# Altium PCB PCB1.PcbDoc (part 1 of 2) (continued)
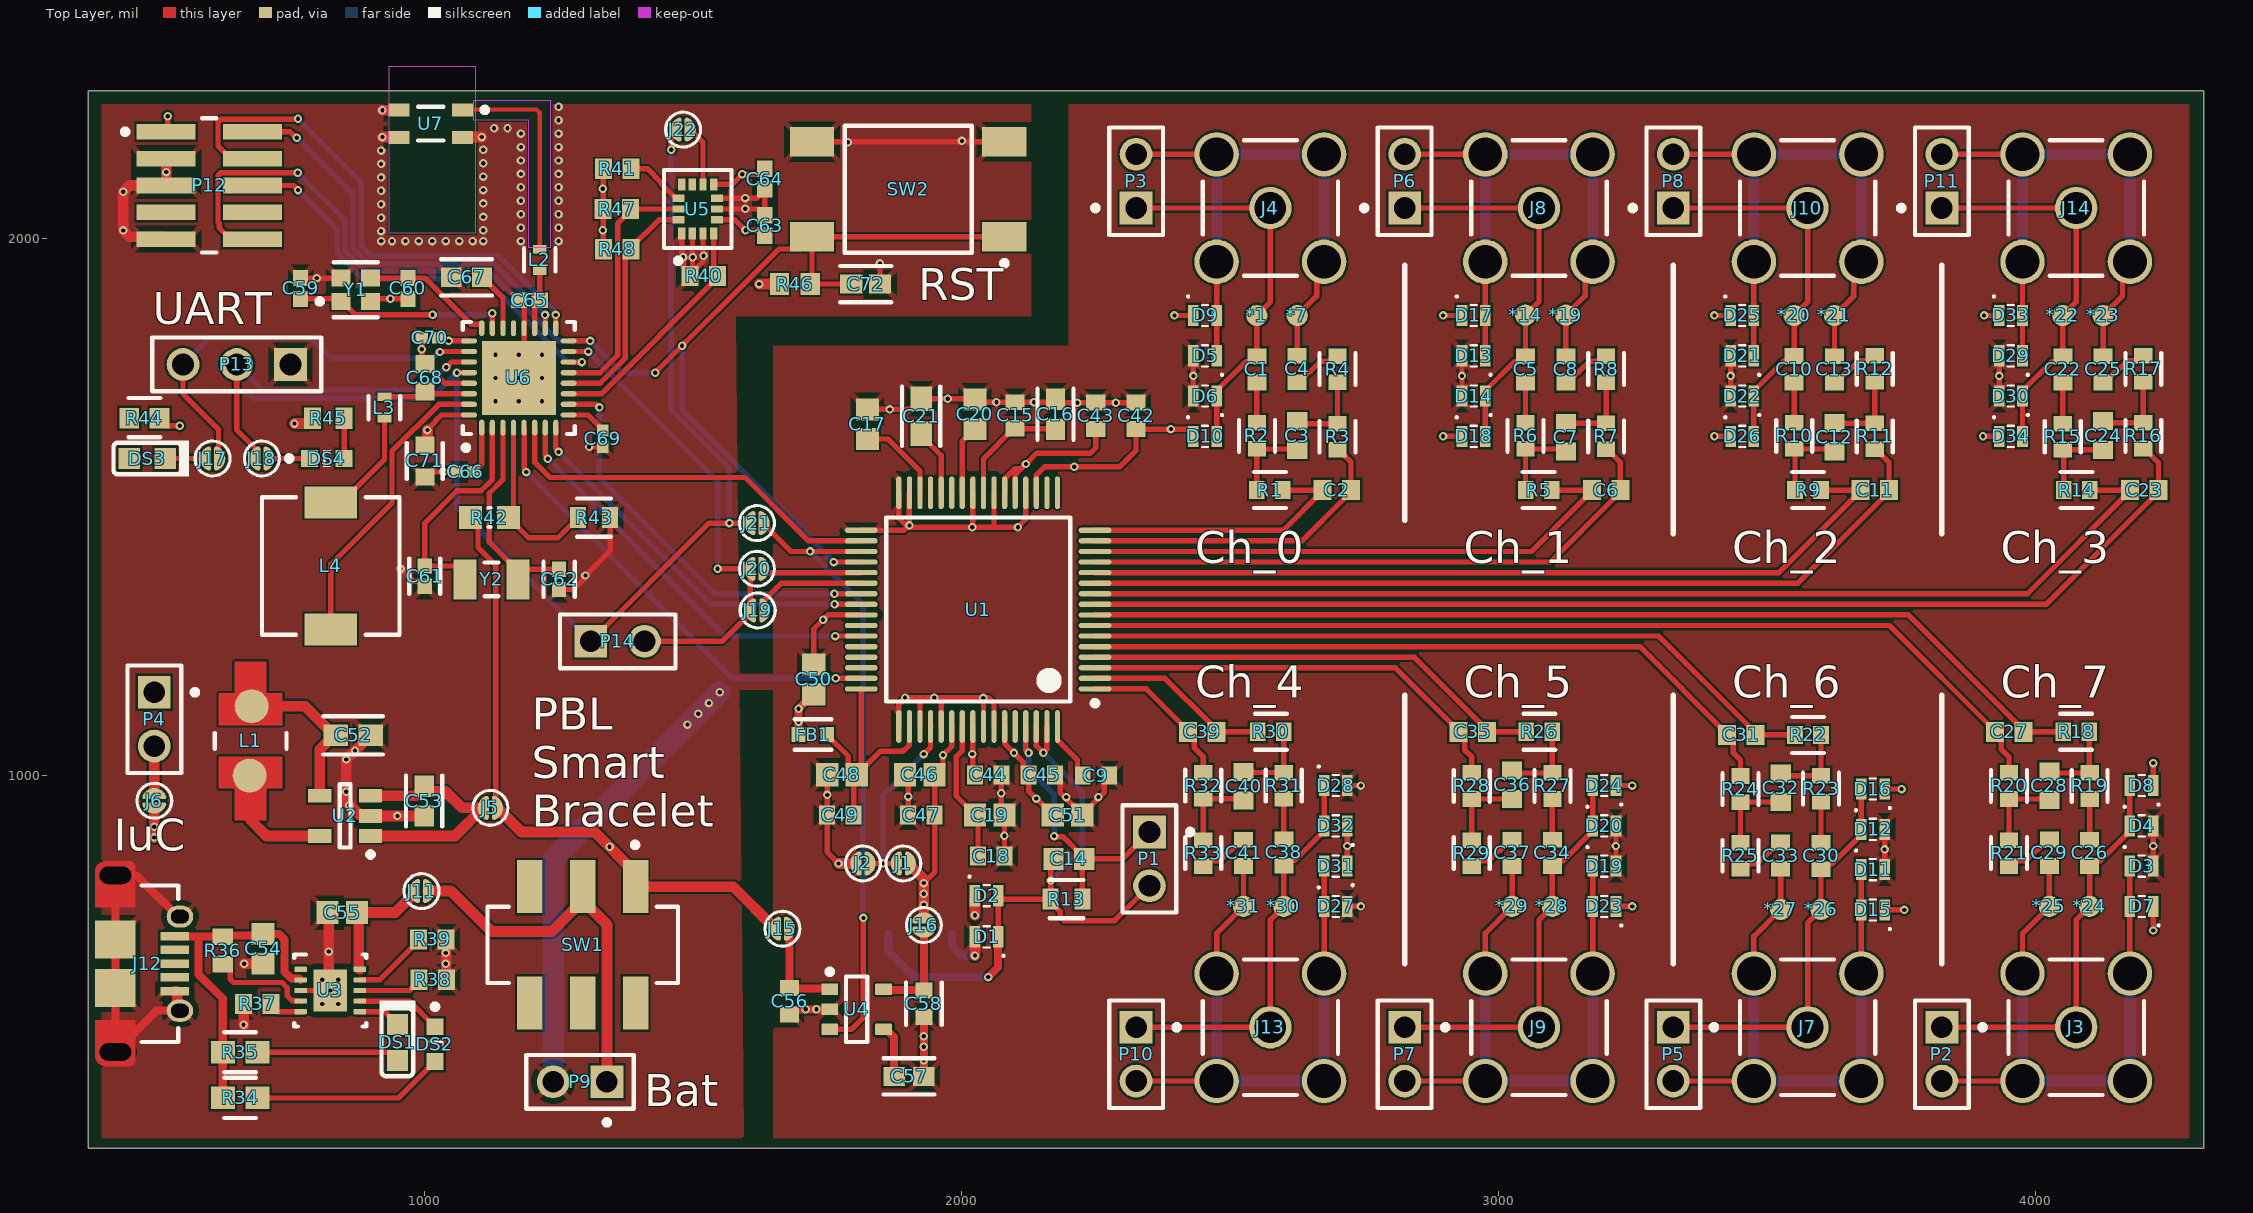
[diagram p0: Top Layer view]
## Components (designator, comment, footprint, x,y, rotation, side; value= is the part's Value field where it differs from the comment) (continued)
D21 "ESD" DFN110P160X55-2N 3453.35,1781.5 r180 top
D22 "ESD" DFN110P160X55-2N 3453.35,1706.5 r180 top
D23 "ESD" DFN110P160X55-2N 3196.65,756.5 r180 top
D24 "ESD" DFN110P160X55-2N 3196.65,981.5 r180 top
D25 "ESD" DFN110P160X55-2N 3453.35,1856.5 r0 top
D26 "ESD" DFN110P160X55-2N 3453.35,1631.5 r0 top
D27 "ESD" DFN110P160X55-2N 2696.65,756.5 r0 top
D28 "ESD" DFN110P160X55-2N 2696.65,981.5 r0 top
D29 "ESD" DFN110P160X55-2N 3953.35,1781.5 r180 top
D30 "ESD" DFN110P160X55-2N 3953.35,1706.5 r180 top
D31 "ESD" DFN110P160X55-2N 2696.65,831.5 r180 top
D32 "ESD" DFN110P160X55-2N 2696.65,906.5 r180 top
D33 "ESD" DFN110P160X55-2N 3953.35,1856.5 r0 top
D34 "ESD" DFN110P160X55-2N 3953.35,1631.5 r0 top
DS1 "APG1608CGKC/T" KING-LED0603-25-GREEN_V 950,503.46 r270 top
DS2 "APG1608SURKC/T" KING-LED0603-25-RED_V 1020,500 r90 top
DS3 "APG1608CGKC/T" KING-LED0603-25-GREEN_V 484.49,1590.26 r180 top
DS4 "APG1608SURKC/T" KING-LED0603-25-RED_V 818.54,1590.26 r180 top
FB1 "BLM18AG102SN1D" FP-BLM18-0_15-t0_8-MFG 1723.43,1076.5 r180 top
J1 "Solder Jumper" "Small Solder Jumper" 1891.81,836.5 r0 top value=1
J2 "Solder Jumper" "Small Solder Jumper" 1816.71,836.5 r0 top value=1
J3 "5-1814832-1" TECO-5-1814832-1_V 4075,531.5 r270 top
J4 "5-1814832-1" TECO-5-1814832-1_V 2575,2056.5 r90 top
J5 "Solder Jumper" "Small Solder Jumper" 1123.11,940 r180 top value=1
J6 "Solder Jumper" "Small Solder Jumper" 497.5,953.19 r90 top value=1
J7 "5-1814832-1" TECO-5-1814832-1_V 3575,531.5 r270 top
J8 "5-1814832-1" TECO-5-1814832-1_V 3075,2056.5 r90 top
J9 "5-1814832-1" TECO-5-1814832-1_V 3075,531.5 r270 top
J10 "5-1814832-1" TECO-5-1814832-1_V 3575,2056.5 r90 top
J11 "Solder Jumper" "Small Solder Jumper" 995,785 r180 top value=1
J12 "629105150921" 629105150921 425,650 r270 top
J13 "5-1814832-1" TECO-5-1814832-1_V 2575,531.5 r270 top
J14 "5-1814832-1" TECO-5-1814832-1_V 4075,2056.5 r180 top
J15 "Solder Jumper" "Small Solder Jumper" 1666.71,715 r180 top value=1
J16 "Solder Jumper" "Small Solder Jumper" 1930,721.81 r90 top value=1
J17 "Solder Jumper" "Small Solder Jumper" 606.14,1590.26 r180 top value=1
J18 "JV" "Small Solder Jumper" 697.87,1590.26 r0 top value=1
J19 "Solder Jumper" "Small Solder Jumper" 1620.69,1307.5 r0 top value=1
J20 "Solder Jumper" "Small Solder Jumper" 1619.21,1385 r0 top value=1
J21 "Solder Jumper" "Small Solder Jumper" 1619.31,1470 r0 top value=1
J22 "Solder Jumper" "Small Solder Jumper" 1481.89,2202.5 r0 top value=1
L1 "10uH" FP-LQH43CN_03-MFG 676.85,1064.59 r90 top
L2 "3.9nH" FP-LQW15AN_80-MFG 1215,1960.12 r90 top
L3 "15nH" FP-LQW15AN_80-MFG 926.02,1685.14 r90 top
L4 "SRR0603-100ML" BOUR-SRR0603_V 826.02,1390.26 r90 top
P1 "FIX_RLD" SMTC-TSW-102-07-S-S 2350,845 r270 top
P2 "FIX_RLD" SMTC-TSW-102-07-S-S 3825,481.5 r270 top
P3 "FIX_RLD" SMTC-TSW-102-07-S-S 2325,2106.5 r90 top
P4 "IuC" SMTC-TSW-102-07-S-S 497.5,1105 r270 top
P5 "FIX_RLD" SMTC-TSW-102-07-S-S 3325,481.5 r270 top
P6 "FIX_RLD" SMTC-TSW-102-07-S-S 2825,2106.5 r90 top
P7 "FIX_RLD" SMTC-TSW-102-07-S-S 2825,481.5 r270 top
P8 "FIX_RLD" SMTC-TSW-102-07-S-S 3325,2106.5 r90 top
P9 "Battery" SMTC-TSW-102-07-S-S 1290,430 r180 top
P10 "FIX_RLD" SMTC-TSW-102-07-S-S 2325,481.5 r270 top
P11 "FIX_RLD" SMTC-TSW-102-07-S-S 3825,2106.5 r90 top
P12 "FTSH-105-01-F-DV-K" SMTC-FTSH-105-01-L-DV-K_V 599.86,2098.52 r270 top
P13 "UART" SMTC-TSW-103-07-X-S 751.02,1765.26 r180 top
P14 "Aux" SMTC-TSW-102-26-XX-S 1310,1250 r0 top
R1 "100k" FP-CRCW0603-e3-IPC_C 2574.23,1531.5 r180 top
R2 "100k" FP-CRCW0603-e3-IPC_C 2550,1632.27 r90 top
R3 "100k" FP-CRCW0603-e3-IPC_C 2700,1630.72 r90 top
R4 "100k" FP-CRCW0603-e3-IPC_C 2700,1756.5 r90 top
R5 "100k" FP-CRCW0603-e3-IPC_C 3074.23,1531.5 r180 top
R6 "100k" FP-CRCW0603-e3-IPC_C 3050,1632.27 r90 top
R7 "100k" FP-CRCW0603-e3-IPC_C 3200,1631.5 r90 top
R8 "100k" FP-CRCW0603-e3-IPC_C 3200,1756.5 r90 top
R9 "100k" FP-CRCW0603-e3-IPC_C 3575.77,1531.5 r180 top
R10 "100k" FP-CRCW0603-e3-IPC_C 3550,1632.27 r90 top
R11 "100k" FP-CRCW0603-e3-IPC_C 3700,1631.5 r90 top
R12 "100k" FP-CRCW0603-e3-IPC_C 3700,1757.27 r90 top
R13 "1M" FP-CRCW0603-e3-MFG 2195.47,770 r0 top
R14 "100k" FP-CRCW0603-e3-IPC_C 4075.77,1531.5 r180 top
R15 "100k" FP-CRCW0603-e3-IPC_C 4050,1630.72 r90 top
R16 "100k" FP-CRCW0603-e3-IPC_C 4200,1632.27 r90 top
R17 "100k" FP-CRCW0603-e3-IPC_C 4200,1757.27 r90 top
R18 "100k" FP-CRCW0603-e3-IPC_C 4075,1081.5 r0 top
R19 "100k" FP-CRCW0603-e3-IPC_C 4100,980.72 r270 top
R20 "100k" FP-CRCW0603-e3-IPC_C 3950,980.72 r270 top
R21 "100k" FP-CRCW0603-e3-IPC_C 3950,855.72 r270 top
R22 "100k" FP-CRCW0603-e3-IPC_C 3575.77,1075.79 r0 top
R23 "100k" FP-CRCW0603-e3-IPC_C 3600,975.79 r270 top
R24 "100k" FP-CRCW0603-e3-IPC_C 3450,975.02 r270 top
R25 "100k" FP-CRCW0603-e3-IPC_C 3450,850.79 r270 top
R26 "100k" FP-CRCW0603-e3-IPC_C 3075.77,1081.5 r0 top
R27 "100k" FP-CRCW0603-e3-IPC_C 3100,980.72 r270 top
R28 "100k" FP-CRCW0603-e3-IPC_C 2950,980.72 r270 top
R29 "100k" FP-CRCW0603-e3-IPC_C 2950,855.72 r270 top
R30 "100k" FP-CRCW0603-e3-IPC_C 2575.77,1081.5 r0 top
R31 "100k" FP-CRCW0603-e3-IPC_C 2600,981.5 r270 top
R32 "100k" FP-CRCW0603-e3-IPC_C 2450,981.5 r270 top
R33 "100k" FP-CRCW0603-e3-IPC_C 2450,855.72 r270 top
R34 "300R" FP-CRCW0603-e3-IPC_A 657.1,400 r180 top
R35 "300R" FP-CRCW0603-e3-IPC_A 657.1,485.03 r180 top
R36 "10k" RESC1609X50X30NL8T20 625,674.41 r90 top
R37 "10k" RESC1609X50X30NL8T20 689.41,575 r0 top
R38 "10k" RESC1609X50X30NL8T20 1015.59,620 r180 top
R39 "10k" RESC1609X50X30NL8T20 1015,695 r180 top
R40 "10k" RESC1609X50X30NL8T20 1520.59,1930 r180 top
R41 "10k" RESC1609X50X30NL8T20 1359.07,2129.68 r0 top
R42 "2MR" RESC0603(1608)_M 1121.46,1480.26 r180 top value="2000000.00 Ohm"
R43 "1MR" FP-CRCW0603-e3-MFG 1316.02,1480.26 r0 top
R44 "820R" FP-CRCW0603-e3-IPC_B 479.19,1665.26 r180 top
R45 "330R" RESC1608X55X25ML10T15 821.5,1665.26 r0 top
R46 "100kR" RESC1608X55X30ML15T15 1690,1915 r180 top
R47 "10k" RESC1609X50X30NL8T20 1358.48,2054.68 r0 top
R48 "10k" RESC1609X50X30NL8T20 1359.67,1979.68 r180 top
SW1 "JS202011SCQN" FP-JS202011SCQN-MFG 1295,685 r180 top
SW2 "FSM4JSMA" TECO-FSM4JSMA_V 1900.87,2091.42 r270 top
U1 "ADS1298IPAG" TI-PAG64_L 2031.1,1308.98 r180 top
U2 "XC9265C181MR-G" Z5+1_N 852.76,925 r180 top
U3 "LM3658SD/NOPB" DSC0010A_V 825,600 r0 top
U4 "TPS79928DDCR" DDC0005A_L 1805,565 r0 top
U5 "ISM330DHCXTR" FP-LGA-14L-DM00249496-MFG 1509.07,2054.68 r90 top
U6 "NRF52810-QCAA-R" NRSC-QFN-32_A_L 1176.02,1740.26 r90 top
U7 "2450AT18D0100E" JT-2450AT18D0100E_V 1012.24,2213.52 r180 top
X1 "43650-0213" 43650-0213 1922.97,705.35 r180 bottom
Y1 "32MHz" FP-402-MFG 872.3,1904.37 r0 top
Y2 "32.768kHz" FP-ECX-34R-MFG 1125.24,1365.26 r0 top

## Footprints (in the part's own frame and the unit in brackets; to place one, negate y for a bottom-side part, rotate by r counter-clockwise, add the part's x,y. Pads: shape width x height; smd on the part's side, far side on the other; paste and mask are expansions set on the pad)
43650-0213 [mm] "2 Positions Header Connector 0.118\" (3.00mm) Surface Mount, Right Angle"
  rect 1.27x2.92 smd: 1(1.5,0) 2(-1.5,0)
  rect 3.43x1.65 smd: ""(-6.465,-5.47) ""(6.465,-5.47)
  silkscreen extent -4.87,-10.07 4.87,-0.03, body extent -6.82,-10.07 6.83,0.67, height 5.69
629105150921 [mm] "Micro USB 2.0 Type AB Horizontal"
  rect 0.4x1.35 smd: 1(-1.3,2.805) 2(-0.65,2.805) 3(0,2.805) 4(0.65,2.805) 5(1.3,2.805)
  round 0 / inner oval 1.4x2.1 / far side oval 1.4x2.1 hole 0.825 slot 1.5 at 90 deg mask+0.102: Shell(-4.175,0)
  oval 1.05x1.25 hole 0.65 slot 0.85 at 90 deg: Shell(-2.225,3.055) Shell(2.225,3.055)
  rect 1.8x1.9 smd: Shell(-1.15,0) Shell(1.15,0)
  round 0 / inner round 0 / far side oval 1.4x2.1 hole 0.825 slot 1.5 at 90 deg mask+0.102: Shell(4.175,0)
  Top Layer region: -4.353,-0.95 -4.544,-0.912 -4.706,-0.804 -4.814,-0.641 -4.852,-0.45 -4.852,-0.45 -4.852,0.65 -4.83,0.765 -4.765,0.862 -4.667,0.927 -4.553,0.95 -4.553,0.95 -2.668,0.95 -2.668,-0.95
  Top Layer region: 4.353,-0.95 4.544,-0.912 4.706,-0.804 4.814,-0.641 4.852,-0.45 4.852,-0.45 4.852,0.65 4.83,0.765 4.765,0.862 4.667,0.927 4.553,0.95 4.553,0.95 2.668,0.95 2.668,-0.95
  silkscreen extent -3.7,1.25 3.7,2.97, body extent -4.3,-2.64 4.3,3.23, height 2.76
BOUR-SRR0603_V [mm] "SMD, 2-Leads, Body 6.5x6.5mm"
  rect 1.5x2.5 smd: 1(-3,0) 2(3,0)
  silkscreen extent -3.25,-3.25 3.25,3.25, body extent -3.25,-3.25 3.25,3.25, height 3.3
CAPC1005X55X25ML05T10 [mm] "Chip Capacitor, 2-Leads, Body 1.00x0.50mm, IPC Low Density"
  rect 0.76x0.72 smd: 1(-0.49,0) 2(0.49,0)
  body extent -0.53,-0.28 0.53,0.27, height 0.55
CAPC1005X56X25LL10T15 [mm] "Chip Capacitor, 2-Leads, Body 1.00x0.50mm, IPC High Density"
  rect 0.58x0.54 smd: 1(-0.39,0) 2(0.39,0)
  body extent -0.55,-0.3 0.55,0.3, height 0.56
CAPC1005X56X25ML10T15 [mm] "Chip Capacitor, 2-Leads, Body 1.00x0.50mm, IPC Low Density"
  rect 0.78x0.74 smd: 1(-0.49,0) 2(0.49,0)
  body extent -0.55,-0.3 0.55,0.3, height 0.56
CAPC1608X90X35LL10T15 [mm] "Chip Capacitor, 2-Leads, Body 1.60x0.80mm, IPC High Density"
  rect 0.75x0.85 smd: 1(-0.625,0) 2(0.625,0)
  body extent -0.85,-0.45 0.85,0.45, height 0.9
CAPC1608X90X35LL15T15 [mm] "Chip Capacitor, 2-Leads, Body 1.60x0.81mm, IPC High Density"
  rect 0.85x0.9 smd: 1(-0.65,0) 2(0.65,0)
  body extent -0.88,-0.48 0.87,0.48, height 0.9
CAPC1608X90X35ML10T15 [mm] "Chip Capacitor, 2-Leads, Body 1.60x0.80mm, IPC Low Density"
  rect 0.95x1.05 smd: 1(-0.725,0) 2(0.725,0)
  body extent -0.85,-0.45 0.85,0.45, height 0.9
CAPC1608X90X35NL10T15 [mm] "Chip Capacitor, 2-Leads, Body 1.60x0.80mm, IPC Medium Density"
  rect 0.85x0.95 smd: 1(-0.675,0) 2(0.675,0)
  body extent -0.85,-0.45 0.85,0.45, height 0.9
CAPC1608X92X38LL15T08 [mm] "Chip Capacitor, 2-Leads, Body 1.60x0.80mm, IPC High Density"
  rect 0.75x0.9 smd: 1(-0.625,0) 2(0.625,0)
  body extent -0.87,-0.48 0.87,0.48, height 0.92
CAPC1608X95X40ML15T15 [mm] "Chip Capacitor, 2-Leads, Body 1.60x0.80mm, IPC Low Density"
  rect 1.05x1.1 smd: 1(-0.7,0) 2(0.7,0)
  body extent -0.88,-0.48 0.87,0.47, height 0.95
DDC0005A_L [mm] "SOT23, 5-Leads, Body 3.05x1.75mm, Pitch 0.95mm, IPC High Density"
  rrect18% 0.8x0.55 smd: 1(-1.275,0.95) 2(-1.275,0) 3(-1.275,-0.95) 4(1.275,-0.95) 5(1.275,0.95)
  silkscreen extent -1.4,-1.55 0.5,1.9, body extent -0.88,-1.52 0.87,1.53, height 1.1
DFN110P160X55-2N [mm] "DFN, 2-Leads, Body 1.00x1.60mm, Pitch 1.10mm, IPC Medium Density"
  rect 0.5x1 smd: 1(-0.55,0) 2(0.55,0)
  silkscreen extent -0.85,-0.5 0.15,0.95, body extent -0.8,-0.5 0.8,0.5, height 0.55
DSC0010A_V [mm] "SON, 10-Leads, Body 3x3mm, Pitch 0.5mm, Thermal Pad 2.0x1.6mm, TI Recommended"
  rrect40% 0.6x0.25 smd: 1(-1.4,1) 2(-1.4,0.5) 3(-1.4,0) 4(-1.4,-0.5) 5(-1.4,-1) 6(1.4,-1) 7(1.4,-0.5) 8(1.4,0) 9(1.4,0.5) 10(1.4,1)
  rrect6% 1.6x2 smd paste-0.825: 11(0,0)
  silkscreen extent -1.7,-1.7 1.7,1.7, body extent -1.55,-1.55 1.55,1.55, height 0.8
FP-402-MFG [mm]
  rect 0.9x0.8 smd paste+0 mask+0: 1(-0.7,-0.55) 2(0.7,-0.55) 3(0.7,0.55) 4(-0.7,0.55)
  silkscreen extent -1.82,-1.3 1.05,1.3, body extent -1.25,-1.05 1.25,1.05, height 0.25
FP-BLM18-0_15-t0_8-MFG [mm]
  rect 0.65x0.7 smd paste+0 mask+0: 1(-0.675,0) 2(0.675,0)
  silkscreen extent -0.87,-0.72 0.87,0.72, body extent -1.1,-0.58 1.1,0.58, height 0.25
FP-CC0603-DA-IPC_B [mil]
  rect 41.66x35.91 smd paste+0 mask+0: 1(-26.65,0) 2(26.65,0)
  silkscreen extent -47,-34 47,34, body extent -57,-28 57,28, height 10
FP-CC0603-DA-MFG [mm]
  rect 0.8x0.9 smd paste+0 mask+0: 1(-0.75,0) 2(0.75,0)
  silkscreen extent -0.85,-0.85 0.85,0.85, body extent -1.35,-0.75 1.35,0.75, height 0.25
FP-CL10-IPC_A [mil]
  rect 45.6x39.85 smd paste+0 mask+0: 1(-32.56,0) 2(32.56,0)
  silkscreen extent -55,-36 55,36, body extent -75,-40 75,40, height 10
FP-CRCW0603-e3-IPC_A [mil]
  rect 44.69x41.82 smd paste+0 mask+0: 1(-32.1,0) 2(32.1,0)
  silkscreen extent -30,-37 30,37, body extent -74,-41 74,41, height 10
FP-CRCW0603-e3-IPC_B [mil]
  rect 36.81x37.88 smd paste+0 mask+0: 1(-28.17,0) 2(28.17,0)
  silkscreen extent -30,-37 30,35, body extent -56,-29 56,29, height 10
FP-CRCW0603-e3-IPC_C [mil]
  rect 28.94x33.94 smd paste+0 mask+0: 1(-24.23,0) 2(24.23,0)
  silkscreen extent -30,-33 30,33, body extent -43,-23 43,23, height 10
FP-CRCW0603-e3-MFG [mm]
  rect 0.75x1 smd paste+0 mask+0: 1(-0.75,0) 2(0.75,0)
  silkscreen extent -0.8,-0.9 0.8,0.9, body extent -1.22,-0.6 1.22,0.6, height 0.25
FP-ECX-34R-MFG [mm]
  rect 1.1x1.9 smd paste+0 mask+0: 1(-1.25,0) 2(1.25,0)
  silkscreen extent -0.33,-0.8 0.33,0.8, body extent -1.9,-1.05 1.9,1.05, height 0.25
FP-GCM188-0_1-IPC_B [mil]
  rect 37.74x35.91 smd paste+0 mask+0: 1(-28.61,0) 2(28.61,0)
  silkscreen extent -47,-34 47,34, body extent -57,-28 57,28, height 10
FP-GJM155-0_05-IPC_A [mil]
  rect 28.16x26.48 smd paste+0 mask+0: 1(-18.84,0) 2(18.84,0)
  silkscreen extent -33,-29 33,29, body extent -41,-21 41,21, height 10
FP-GRM188-0_1-e0_2_0_5-IPC_C [mil]
  rect 29.87x31.97 smd paste+0 mask+0: 1(-24.67,0) 2(24.67,0)
  silkscreen extent -40,-33 40,33, body extent -44,-22 44,22, height 10
FP-GRM188-0_1-e0_2_0_55-IPC_B [mil]
  rect 39.7x35.91 smd paste+0 mask+0: 1(-27.63,0) 2(27.63,0)
  silkscreen extent -47,-34 47,34, body extent -57,-28 57,28, height 10
FP-JS202011SCQN-MFG [mm]
  rect 1.2x2.5 smd paste+0 mask+0: 1(-2.5,-2.75) 2(0,-2.75) 3(2.5,-2.75) 4(-2.5,2.75) 5(0,2.75) 6(2.5,2.75)
  silkscreen extent -4.5,-4.85 4.5,1.8
FP-LGA-14L-DM00249496-MFG [mm]
  rect 0.575x0.35 smd paste-1000 mask+0: 1(-1.162,0.75) 2(-1.162,0.25) 3(-1.162,-0.25) 4(-1.162,-0.75) 8(1.162,-0.75) 9(1.162,-0.25) 10(1.162,0.25) 11(1.162,0.75)
  rect 0.35x0.575 smd paste-1000 mask+0: 5(-0.5,-0.913) 6(0,-0.913) 7(0.5,-0.913) 12(0.5,0.913) 13(0,0.913) 14(-0.5,0.913)
  silkscreen extent -2.57,-1.6 1.85,1.6, body extent -2.05,-1.8 2.05,1.8, height 0.25
FP-LQH43CN_03-MFG [mil]
  round 63.12 smd paste+0 mask+0: 1(-64.59,1.85) 2(64.59,-1.85)
  Top Layer region: 147.64,29.53 88.58,29.53 88.58,59.06 29.53,59.06 29.53,-59.06 88.58,-59.06 88.58,-29.53 147.64,-29.53 147.64,29.53
  Top Layer region: -147.64,29.53 -88.58,29.53 -88.58,59.06 -29.53,59.06 -29.53,-59.06 -88.58,-59.06 -88.58,-29.53 -147.64,-29.53 -147.64,29.53
  silkscreen extent -15,-67 15,67, body extent -152,-71 152,71, height 10
FP-LQW15AN_80-MFG [mm]
  rect 0.41x0.66 smd paste+0 mask+0: 1(-0.505,0) 2(0.505,0)
  silkscreen extent -0.56,-0.74 0.55,0.75, body extent -0.81,-0.45 0.81,0.45, height 0.25
JT-2450AT18D0100E_V [mm] "SMD, 4-Leads, Body 3.2x1.6mm"
  rect 1x0.6 smd: 1(-1.5,-0.65) 2(1.5,-0.65) 3(1.5,0.65) 4(-1.5,0.65)
  silkscreen extent -2.68,-0.8 0.6,0.8, body extent -1.6,-0.8 1.6,0.8, height 1.4
KING-LED0603-25-GREEN_V [mm] "LED, SMT, Body 1.6 x 0.8 mm, 0.25mm Thickness"
  rect 1x1 smd paste+0 mask+0: 1(0.85,0) 2(-0.85,0)
  silkscreen extent -1.97,-0.85 1.6,0.85, body extent -0.8,-0.4 0.8,0.4, height 0.25
KING-LED0603-25-RED_V [mm] "LED, SMT, Body 1.6x0.8mm, 0.28mm Thickness, Red"
  rect 0.8x0.8 smd paste+0: 1(-0.825,0) 2(0.825,0)
  silkscreen extent -0.2,-0.4 1.9,0.4, body extent -0.8,-0.4 0.8,0.4, height 0.28
NRSC-QFN-32_A_L [mm] "QFN, 32-Leads, Body 5x5mm, Pitch 0.5mm, Thermal Pad 3.5x3.5mm, IPC High Density"
  oval 0.75x0.25 smd: 1(-2.35,1.75) 2(-2.35,1.25) 3(-2.35,0.75) 4(-2.35,0.25) 5(-2.35,-0.25) 6(-2.35,-0.75) 7(-2.35,-1.25) 8(-2.35,-1.75) 17(2.35,-1.75) 18(2.35,-1.25) 19(2.35,-0.75) 20(2.35,-0.25) 21(2.35,0.25) 22(2.35,0.75) 23(2.35,1.25) 24(2.35,1.75)
  oval 0.25x0.75 smd: 9(-1.75,-2.35) 10(-1.25,-2.35) 11(-0.75,-2.35) 12(-0.25,-2.35) 13(0.25,-2.35) 14(0.75,-2.35) 15(1.25,-2.35) 16(1.75,-2.35) 25(1.75,2.35) 26(1.25,2.35) 27(0.75,2.35) 28(0.25,2.35) 29(-0.25,2.35) 30(-0.75,2.35) 31(-1.25,2.35) 32(-1.75,2.35)
  rect 3.5x3.5 smd: 33(0,0)
  silkscreen extent -3.42,-2.65 2.65,2.65, body extent -2.5,-2.5 2.5,2.5, height 0.9
Pad-1mm [mm] "SMT Test Pad"
  round 1 smd paste-5: 1(0,0)
RESC0603(1608)_M [mm] "Chip Resistor, Body 1.6x0.8mm, IPC Low Density"
  rect 1.1x1.1 smd: 1(-0.9,0) 2(0.9,0)
  silkscreen extent -0.05,-0.45 0.05,0.45, body extent -0.85,-0.47 0.85,0.47, height 0.6
RESC1608X55X25ML10T15 [mm] "Chip Resistor, 2-Leads, Body 1.70x0.90mm, IPC Low Density"
  rect 0.8x1 smd: 1(-0.75,0) 2(0.75,0)
  body extent -0.85,-0.45 0.85,0.45, height 0.55
RESC1608X55X30ML15T15 [mm] "Chip Resistor, 2-Leads, Body 1.60x0.80mm, IPC Low Density"
  rect 0.9x1.05 smd: 1(-0.725,0) 2(0.725,0)
  body extent -0.87,-0.48 0.87,0.48, height 0.55
RESC1609X50X30NL8T20 [mm] "Chip Resistor, 2-Leads, Body 1.65x0.95mm, IPC Medium Density"
  rect 0.8x0.95 smd: 1(-0.65,0) 2(0.65,0)
  body extent -0.82,-0.48 0.82,0.48, height 0.5
"Small Solder Jumper" [mm] "Small Solder Jumper (shortcut with a drop of tin if needed)"
  round 0.525 smd paste-5 mask+0: 1(-0.337,0) 2(0.337,0)
  oval 0.52x0.63 smd paste-5 mask+0: 1(-0.335,0) 2(0.335,0)
  oval 0.51x0.71 smd paste-5 mask+0: 1(-0.33,0) 2(0.33,0)
  oval 0.5x0.76 smd paste-5 mask+0: 1(-0.325,0) 2(0.325,0)
  oval 0.49x0.8 smd paste-5 mask+0: 1(-0.32,0) 2(0.32,0)
  oval 0.475x0.84 smd paste-5 mask+0: 1(-0.312,0) 2(0.312,0)
  oval 0.465x0.865 smd paste-5 mask+0: 1(-0.308,0) 2(0.308,0)
  oval 0.45x0.897 smd paste-5 mask+0: 1(-0.3,0) 2(0.3,0)
  oval 0.425x0.943 smd paste-5 mask+0: 1(-0.288,0) 2(0.288,0)
  oval 0.4x0.981 smd paste-5 mask+0: 1(-0.275,0) 2(0.275,0)
  oval 0.375x1.013 smd paste-5 mask+0: 1(-0.262,0) 2(0.262,0)
  oval 0.35x1.04 smd paste-5 mask+0: 1(-0.25,0) 2(0.25,0)
  oval 0.325x1.063 smd paste-5 mask+0: 1(-0.238,0) 2(0.238,0)
  oval 0.3x1.082 smd paste-5 mask+0: 1(-0.225,0) 2(0.225,0)
  oval 0.275x1.098 smd paste-5 mask+0: 1(-0.212,0) 2(0.212,0)
  oval 0.25x1.112 smd paste-5 mask+0: 1(-0.2,0) 2(0.2,0)
  oval 0.225x1.125 smd paste-5 mask+0: 1(-0.188,0) 2(0.188,0)
  oval 0.2x1.137 smd paste-5 mask+0: 1(-0.175,0) 2(0.175,0)
  silkscreen extent -0.82,-0.83 0.83,0.83
SMTC-FTSH-105-01-L-DV-K_V [mm] "CONN, 10-Leads, Body 6.35x3.43mm, Pitch 1.27mm"
  rect 0.74x2.79 smd: 1(-2.54,-2.035) 2(-2.54,2.035) 3(-1.27,-2.035) 4(-1.27,2.035) 5(0,-2.035) 6(0,2.035) 7(1.27,-2.035) 8(1.27,2.035) 9(2.54,-2.035) 10(2.54,2.035)
  silkscreen extent -3.17,-4.1 3.18,0.34, body extent -3.17,-2.92 3.18,2.92, height 6.12
SMTC-TSW-102-07-S-S [mm] "Header, 2-Leads, Body 5.08x2.54mm, Pitch 2.54mm"
  rect 1.55x1.55 hole 1.02: 1(-1.27,0)
  round 1.55 hole 1.02: 2(1.27,0)
  silkscreen extent -2.54,-1.27 2.54,2.04, body extent -2.54,-1.27 2.67,1.27, height 8.38
SMTC-TSW-102-26-XX-S [mm] ".025 SQ Post Terminal Strip Assembly, 1x2 Pins, Vertical, 2.54mm Pitch, Male"
  rect 1.55x1.55 hole 1.02: 1(0,0)
  round 1.55 hole 1.02: 2(2.54,0)
  silkscreen extent -1.46,-1.27 4,1.27, body extent -1.4,-1.27 3.81,1.27, height 8.38
SMTC-TSW-103-07-X-S [mm] ".025 SQ Post Terminal Strip Assembly, 1x3 Pins, Vertical, 2.54mm Pitch, Male"
  rect 1.55x1.55 hole 1.02: 1(0,0)
  round 1.55 hole 1.02: 2(2.54,0) 3(5.08,0)
  silkscreen extent -1.46,-1.27 6.54,1.27, body extent -1.27,-1.27 6.35,1.27, height 8.38
TECO-5-1814832-1_V [mm] "THD, 5-Leads, Body 6.4x6.4mm, Pitch 5.08mm"
  round 2 hole 1.5: 1(0,0)
  round 2.1 hole 1.6: 2(-2.54,2.54) 3(-2.54,-2.54) 4(2.54,-2.54) 5(2.54,2.54)
  silkscreen extent -3.2,-3.2 3.2,3.2, body extent -3.21,-3.21 3.19,3.19, height 9.5
TECO-FSM4JSMA_V [mm] "SMD, 4-Leads, Body 6x6mm, Pitch 4.5mm"
  rect 1.4x2.1 smd: 1(2.25,4.55) 2(2.25,-4.55) 3(-2.25,4.55) 4(-2.25,-4.55)
  silkscreen extent -3,-3 3.62,4.68, body extent -3,-5 3,5, height 5.08
TI-PAG64_L [mm] "QFP, 64-Leads, Body 10x10mm, Pitch 0.5mm, IPC High Density"
  oval 1.55x0.25 smd: 1(-5.525,3.75) 2(-5.525,3.25) 3(-5.525,2.75) 4(-5.525,2.25) 5(-5.525,1.75) 6(-5.525,1.25) 7(-5.525,0.75) 8(-5.525,0.25) 9(-5.525,-0.25) 10(-5.525,-0.75) 11(-5.525,-1.25) 12(-5.525,-1.75) 13(-5.525,-2.25) 14(-5.525,-2.75) 15(-5.525,-3.25) 16(-5.525,-3.75) 33(5.525,-3.75) 34(5.525,-3.25) 35(5.525,-2.75) 36(5.525,-2.25) 37(5.525,-1.75) 38(5.525,-1.25) 39(5.525,-0.75) 40(5.525,-0.25) 41(5.525,0.25) 42(5.525,0.75) 43(5.525,1.25) 44(5.525,1.75) 45(5.525,2.25) 46(5.525,2.75) 47(5.525,3.25) 48(5.525,3.75)
  oval 0.25x1.55 smd: 17(-3.75,-5.525) 18(-3.25,-5.525) 19(-2.75,-5.525) 20(-2.25,-5.525) 21(-1.75,-5.525) 22(-1.25,-5.525) 23(-0.75,-5.525) 24(-0.25,-5.525) 25(0.25,-5.525) 26(0.75,-5.525) 27(1.25,-5.525) 28(1.75,-5.525) 29(2.25,-5.525) 30(2.75,-5.525) 31(3.25,-5.525) 32(3.75,-5.525) 49(3.75,5.525) 50(3.25,5.525) 51(2.75,5.525) 52(2.25,5.525) 53(1.75,5.525) 54(1.25,5.525) 55(0.75,5.525) 56(0.25,5.525) 57(-0.25,5.525) 58(-0.75,5.525) 59(-1.25,5.525) 60(-1.75,5.525) 61(-2.25,5.525) 62(-2.75,5.525) 63(-3.25,5.525) 64(-3.75,5.525)
  silkscreen extent -5.65,-4.35 4.35,4.55, body extent -5,-5 5,5, height 1.2
Z5+1_N [mm] "SOT23, 5-Leads, Body 2.9x1.6mm, Pitch 0.95mm, Lead Span 2.8mm, IPC Medium Density"
  rect 1.1x0.65 smd: 1(-1.2,0.95) 2(-1.2,0) 3(-1.2,-0.95) 4(1.2,-0.95) 5(1.2,0.95)
  silkscreen extent -1.33,-1.5 0.25,1.95, body extent -0.82,-1.5 0.82,1.5, height 1.1
